# Altium PCB PCB.PcbDoc (part 10 of 10)
Units mil, origin at the board's own origin, x right, y up, seen from the top; angles counter-clockwise.
Board outline 4370.08 x 4921.26 mil, 6 copper layers (Component Side, Ground Plane I, Signal Layer 1, Power Plane, Ground Plane II, Solder Side), stack 57.638 mil thick; 274 components, 415 nets, 1726 pads, 902 vias.
Unrouted connection lines stored in the file: 2.
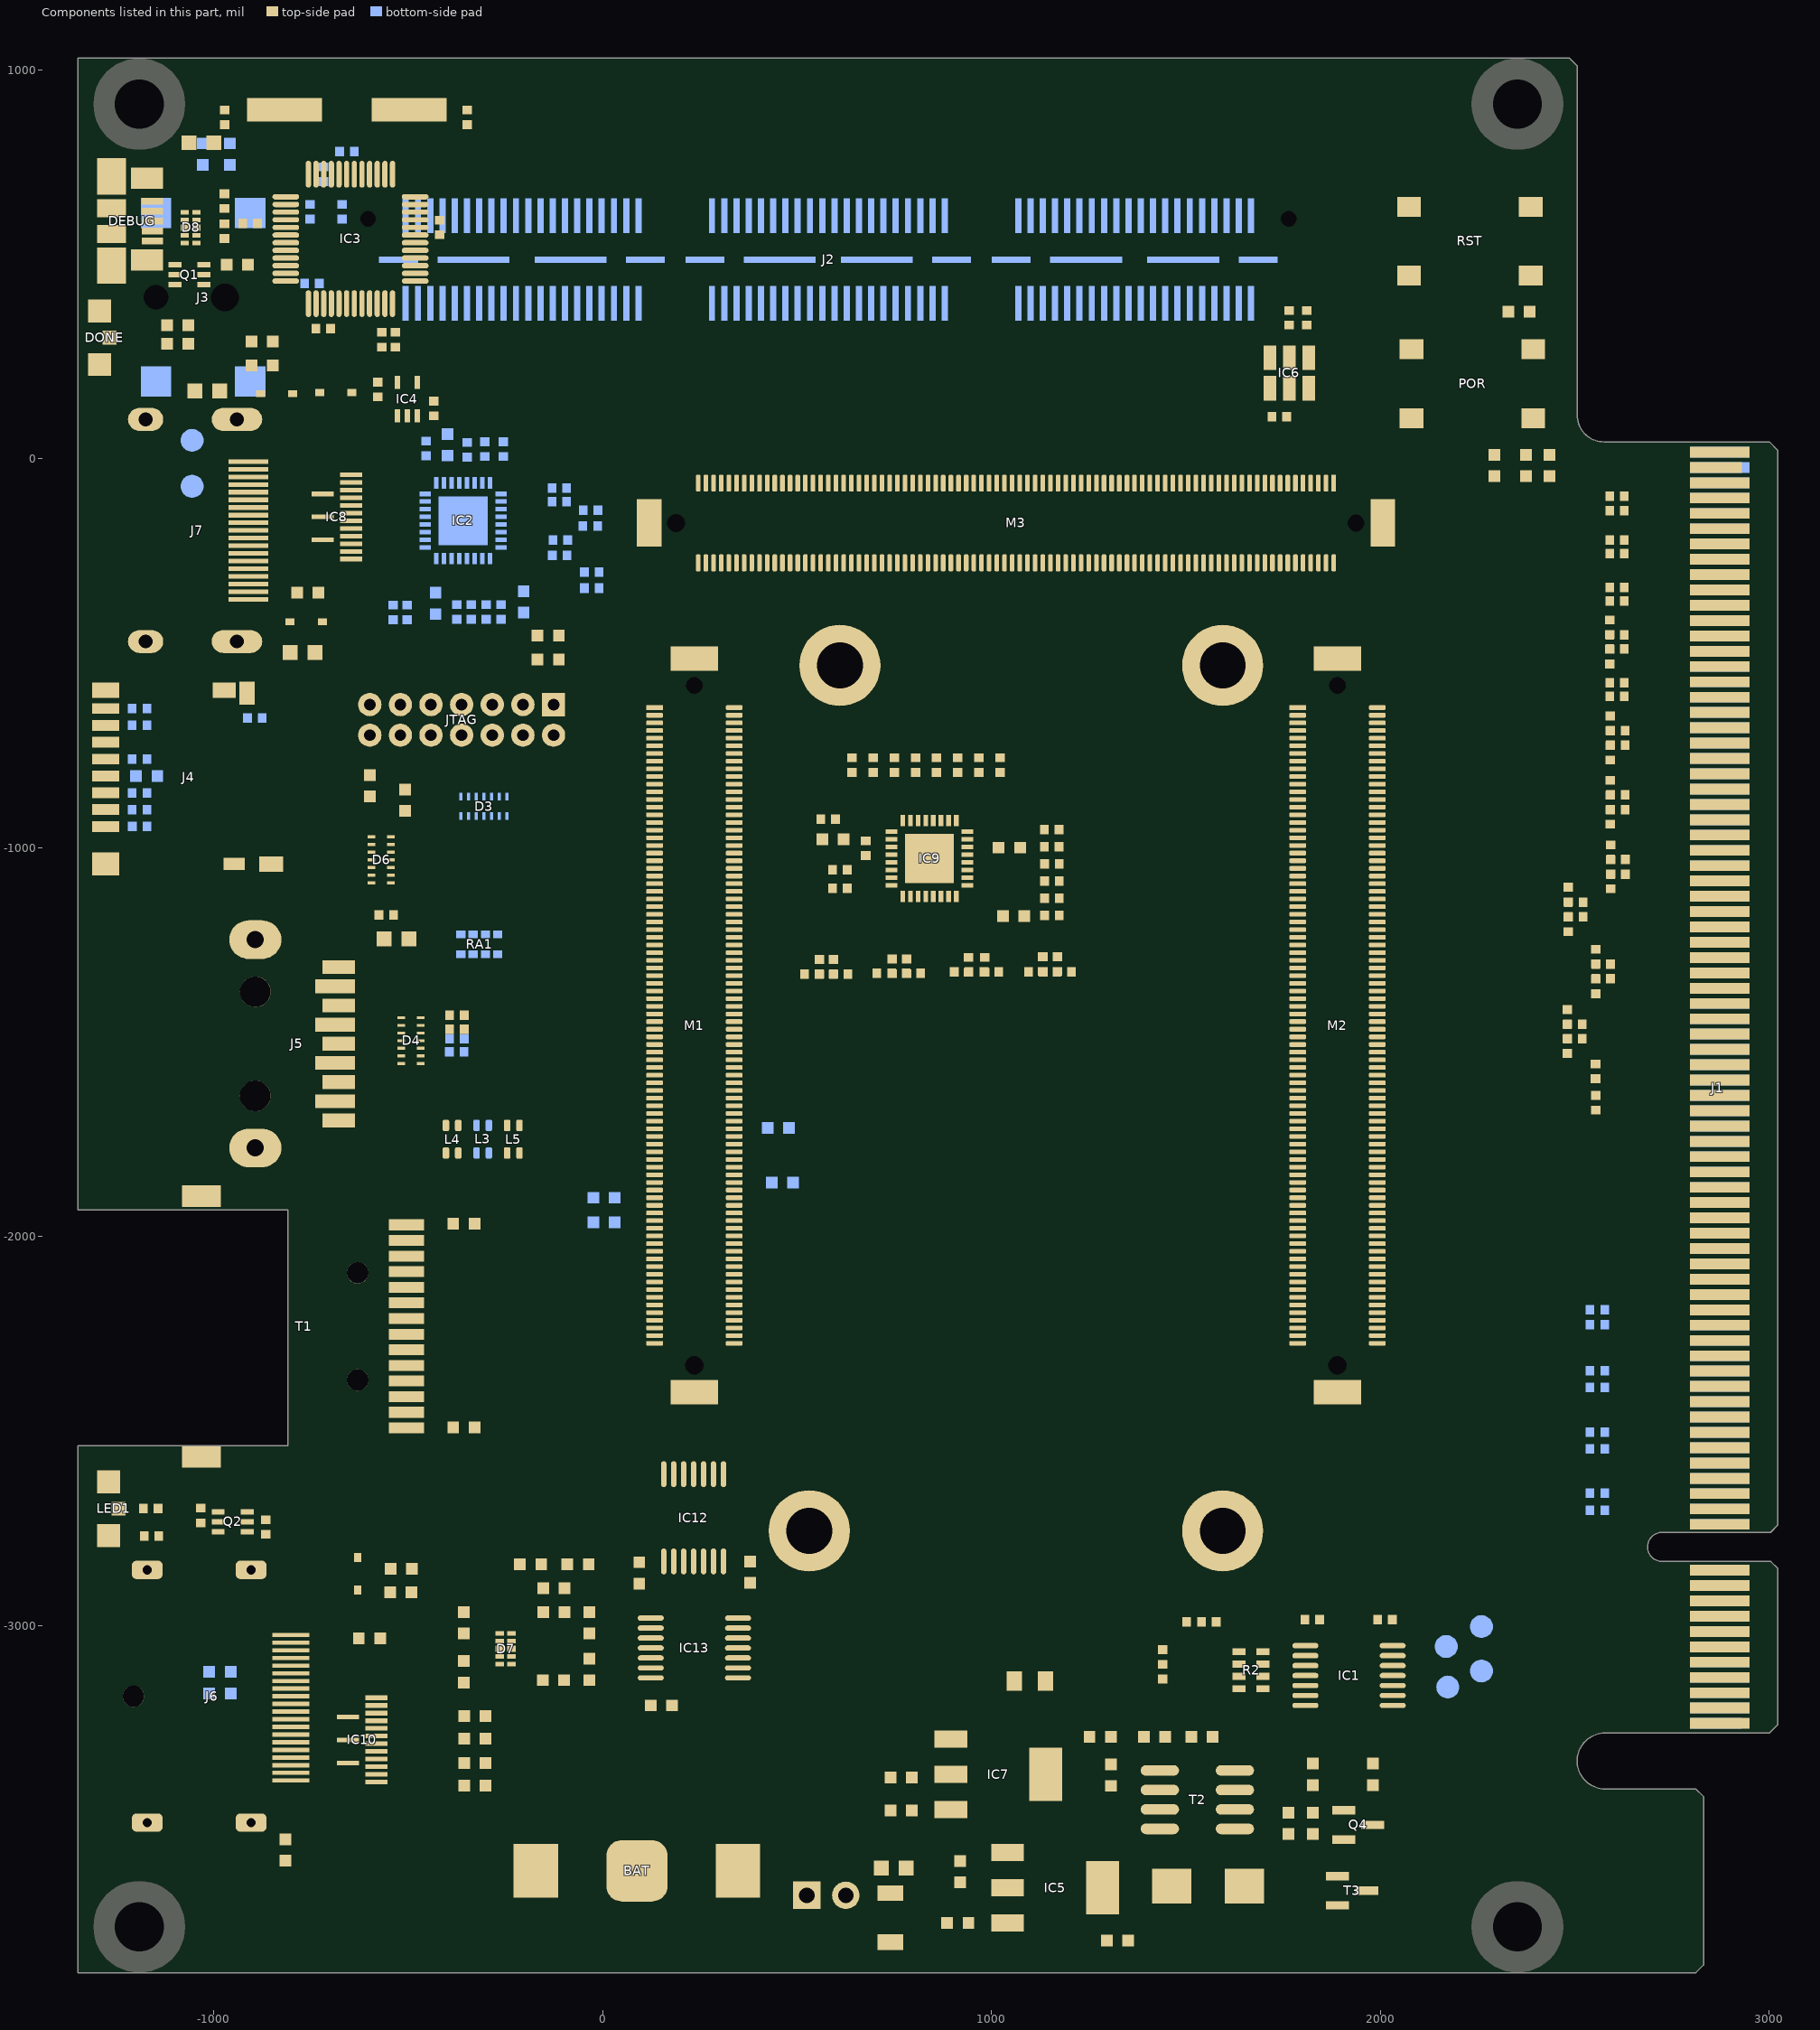
[diagram p14: the components of this part, seen from the top]

## Via types
v1: diameter 23.62, hole 9.84, Component Side to Solder Side, 902 vias

## Nets (pads, with @x,y where several pads share a name; then routed paths per layer and width w, separated by ;. In a path a pad name is that pad's centre, name@x,y a point inside that pad or via, vN(x,y) a via of type N, cw(c..) or ccw(c..) an arc to the next point about the centre after c; other vN are vias at no path point) (continued)
copper on no net: (continued)
  Component Side w0.39: 739.94,853.46 761.55,853.46 ; 739.94,853.85 749.37,853.85 ; 739.94,873.88 748.58,873.88 ; 740.33,853.06 762.33,853.06 ; 740.33,874.28 760.76,874.28 ; 740.33,874.67 760.37,874.67 ; 740.73,852.67 761.94,852.67 ; 740.73,875.06 759.98,875.06 ; 741.12,852.28 761.55,852.28 ; 741.12,875.45 759.58,875.45 ; 741.51,851.89 761.15,851.89 ; 741.51,875.85 759.58,875.85 ; 741.51,876.24 759.19,876.24 ; 741.91,851.1 760.37,851.1 ; 741.91,851.49 760.76,851.49 ; 742.3,876.63 758.4,876.63 ; 742.69,850.71 759.98,850.71 ; 742.69,877.03 758.01,877.03 ; 743.08,850.31 759.19,850.31 ; 743.08,877.42 757.62,877.42 ; 743.48,877.81 756.83,877.81 ; 743.87,849.92 758.4,849.92 ; 744.26,878.2 756.05,878.2 ; 744.66,849.53 757.62,849.53 ; 745.05,878.6 755.26,878.6 ; 745.44,849.14 756.83,849.14 ; 746.23,848.74 755.65,848.74 ; 746.23,878.99 754.48,878.99 ; 747.8,879.38 752.91,879.38 ; 748.19,848.35 754.48,848.35 ; 751.73,873.88 761.15,873.88 ; 752.91,853.85 761.15,853.85 ; 752.91,873.49 761.15,873.49 ; 753.69,873.1 761.55,873.1 ; 754.08,854.24 760.76,854.24 ; 754.48,872.7 761.55,872.7 ; 754.87,872.31 761.94,872.31 ; 755.26,854.64 760.37,854.64 ; 755.26,871.53 761.94,871.53 ; 755.26,871.92 761.94,871.92 ; 755.65,855.03 759.98,855.03 ; 755.65,871.13 762.33,871.13 ; 756.05,870.35 762.33,870.35 ; 756.05,870.74 762.33,870.74 ; 756.44,855.42 759.19,855.42 ; 756.44,869.17 762.73,869.17 ; 756.44,869.56 762.73,869.56 ; 756.44,869.96 762.73,869.96 ; 756.83,855.81 758.8,855.81 ; 756.83,866.81 763.12,866.81 ; 756.83,867.21 762.73,867.21 ; 756.83,867.6 762.73,867.6 ; 756.83,867.99 762.73,867.99 ; 756.83,868.38 762.73,868.38 ; 756.83,868.78 762.73,868.78 ; 757.62,856.21 758.4,856.21
  Power Plane w5.91: 1407.78,-592.52 1409.45,-592.52

## Polygon pours and split planes (outlines as drawn)
no net on Component Side "AntmicroLogo" (solid, pour order 72): 34 vertices, not listed, extent 1044.9,830.43 1108.07,922.36
no net on Component Side "AntmicroLogo" (solid, pour order 74): 19 vertices, not listed, extent 1127.52,832.09 1192,922.36
no net on Component Side "AntmicroLogo" (solid, pour order 76): 24 vertices, not listed, extent 1201.71,831.25 1241.84,945.57
no net on Component Side "AntmicroLogo" (solid, pour order 78): 113 vertices, not listed, extent -4711.43,-3189.12 1369.26,922.5
no net on Component Side "AntmicroLogo" (solid, pour order 80): 1388.73,832.09 1403.2,832.09 1403.2,920.73 1388.73,920.73
no net on Component Side "AntmicroLogo" (solid, pour order 82): 39 vertices, not listed, extent 1416.67,830.43 1470.95,922.36
no net on Component Side "AntmicroLogo" (solid, pour order 84): 1484.91,832.09 1484.91,916.13 1498.13,920.66 1515.17,922.36 1519.97,922.19 1522.9,921.89 1519.62,911.02 1515.34,912.14 1510.57,912.51 1504.67,911.98 1499.39,910.2 1499.39,832.09
no net on Component Side "AntmicroLogo" (solid, pour order 86): 33 vertices, not listed, extent 1524.97,830.43 1595.04,922.36
no net on Component Side "AntmicroLogo" (solid, pour order 70): 205 vertices, not listed, extent -5111.31,-3180.69 946.58,929.23
no net on Component Side "AntmicroLogo" (solid, pour order 68): 319 vertices, not listed, extent 794.92,749.9 1017.05,1004.33
USB_SHIELD on Component Side "VCC" (solid, pour order 90): -1345,-1137 -428,-1136 -428,-1292 -630,-1291 -792,-1514.08 -792,-1847 -1343.77,-1847
SHIELD2 on Component Side "VCC" (solid, pour order 91): -1342.52,-456.69 -852.36,-456.69 -852.36,-324.8 -852.36,-312.99 -645.67,-312.99 -651.57,-312.99 -651.57,61.02 -651.57,64.96 -775.59,64.96 -787.4,64.96 -787.4,198.82 -1342.52,198.82
NetJ6_21 on Component Side "VCC" (solid, pour order 101): -1297.24,-2826.77 -793.31,-2826.77 cw(c-793.31,-2903.54) -716.54,-2903.54 -716.54,-3476.38 cw(c-795.28,-3476.38) -795.28,-3555.12 -1297.24,-3555.12
VCC_7.4_CPM on Power Plane "GND_BOT" (solid, pour order 93): 31 vertices, not listed, extent -1063.22,-3882 2671,1025
VCC_7.4_CPM on Power Plane "GND_BOT" (solid, pour order 111): 20 vertices, not listed, extent -32,183 2214,588
VCC_MOD on Power Plane "GND_BOT" (solid, pour order 110): 27 vertices, not listed, extent 81,-3879 1513,-544
3V3_MOD on Power Plane "GND_BOT" (solid, pour order 109): 1267,-556.48 1267,-1432 1267,-1477 cw(c1254,-1477) 1254,-1490 511,-1490 cw(c511,-1472) 493,-1472 493,-555.14 cw(c502.8,-555.14) 502.8,-545.35 1260.87,-545.35 cw(c1260.87,-556.48) 1272,-556.48
VCC_7.4_CPM on Power Plane "GND_BOT" (solid, pour order 107): -609.23,481.32 -610.28,480.27 -610.28,216.55 cw(c-618.83,216.55) -618.83,208 -742,208 -1318,208 cw(c-1318,231) -1341,231 -1341,752.76 cw(c-1327,752.76) -1327,766.76 -1083.49,766.76 ccw(c-1083.49,787.02) -1063.22,787.02
VCC_7.4_CPM on Power Plane "GND_BOT" (solid, pour order 106): 1954.18,-2916.87 2062.66,-2916.87 ccw(c2062.66,-2843.53) 2136,-2843.53 2136,-2892 cw(c2036,-2892) 2036,-2992 2004,-2992
VCC_7.4_CPM on Power Plane "GND_BOT" (solid, pour order 105): 24 vertices, not listed, extent 1540.73,-3883.7 2822,-2810.48
3V3_MOD on Power Plane "GND_BOT" (solid, pour order 104): 17 vertices, not listed, extent -1335,-3882.78 624.47,-2582.16
3V3_MOD on Power Plane "GND_BOT" (solid, pour order 103): -580.05,-541.21 -596.67,-541.21 cw(c-596.67,-533.81) -604.07,-533.81 -604.07,453.26 cw(c-580.61,453.26) -580.61,476.72 -47.47,476.72 cw(c-47.47,470) -40.75,470 -40.75,-538.16 cw(c-44,-538.16) -44,-541.42 -578.74,-541.42
3V3_MOD on Power Plane "GND_BOT" (solid, pour order 102): 20 vertices, not listed, extent -648,-2581 398,-542
3V3_MOD on Power Plane "VCC_3v3" (solid, pour order 98): -72,467 -560.04,467 ccw(c-560.04,435.04) -592,435.04 -592,-527.95 ccw(c-578.74,-527.95) -578.74,-541.21 -55.21,-541.21 ccw(c-55.21,-527) -41,-527 -41,454 ccw(c-54,454) -54,467
VCC_7.4_CPM on Power Plane "VCC" (solid, pour order 87): 23 vertices, not listed, extent 1541.34,-3596.46 2769.68,-2850.39
VCC_MOD on Power Plane "VCC" (solid, pour order 88): 51 vertices, not listed, extent 84.74,-3812.85 1490.25,-617.97
1V8_MOD on Power Plane "VCC" (solid, pour order 94): 74.82,53.21 1700.81,53.21 cw(c1700.81,0.06) 1753.96,0.06 1753.96,-305.06 cw(c1716.56,-305.06) 1716.56,-342.46 108.29,-342.46 cw(c108.29,-307.02) 72.85,-307.02 72.85,5.97 cw(c120.1,5.97) 120.1,53.21
1V8_MOD on Power Plane "VCC" (solid, pour order 92): 2070.87,-608.27 2070.87,-2234.25 cw(c2017.72,-2234.25) 2017.72,-2287.4 1712.6,-2287.4 cw(c1712.6,-2250) 1675.2,-2250 1675.2,-641.73 cw(c1710.63,-641.73) 1710.63,-606.3 2023.62,-606.3 cw(c2023.62,-653.54) 2070.87,-653.54
3V3_MOD on Power Plane "VCC" (solid, pour order 95): 80.71,-759.84 358.12,-759.84 cw(c358.12,-791.34) 389.62,-791.34 389.62,-1795.42 cw(c362.2,-1795.42) 362.2,-1822.83 102.36,-1822.83 cw(c102.36,-1801.18) 80.71,-1801.18
1V8_MOD on Power Plane "VCC" (solid, pour order 96): 1674.89,-708.66 1674.89,-77.93 cw(c1774.89,-77.93) 1774.89,22.07 1919.29,22.07 1968.9,22.07 cw(c1968.9,-77.93) 2068.9,-77.93 2068.9,-708.66
3V3_MOD on Power Plane "VCC" (solid, pour order 97): 564.96,-681.1 1137.8,-681.1 cw(c1137.8,-773.62) 1230.32,-773.62 1230.32,-1370.08 cw(c1167.32,-1370.08) 1167.32,-1433.07 653.2,-1433.07 cw(c653.2,-1344.84) 564.96,-1344.84 564.96,-773.62 cw(c657.48,-773.62) 657.48,-681.1
3V3_MOD on Power Plane "VCC" (solid, pour order 99): -557.09,-409.45 ccw(c-500,-409.45) -500,-466.54 -143.7,-466.54 ccw(c-143.7,-425.2) -102.36,-425.2 -102.36,61.02 ccw(c-127.95,61.02) -127.95,86.61 -500,86.61 ccw(c-500,29.53) -557.09,29.53 -557.09,-413.39
SHIELD2 on Power Plane "VCC" (solid, pour order 100): -1344.49,206.69 -704.33,206.69 cw(c-704.33,106.69) -604.33,106.69 -604.33,-311.02 -604.33,-372.44 cw(c-704.33,-372.44) -704.33,-472.44 -1344.49,-472.44
no net on Solder Side "AntmicroLogo" (solid, pour order 67): 319 vertices, not listed, extent -68.05,-3707.1 154.08,-3452.67
no net on Solder Side "AntmicroLogo" (solid, pour order 69): 205 vertices, not listed, extent 2.42,-3631.99 5059.31,-3166.08
no net on Solder Side "AntmicroLogo" (solid, pour order 85): 33 vertices, not listed, extent -646.04,-3626.57 -575.97,-3534.64
no net on Solder Side "AntmicroLogo" (solid, pour order 83): -535.91,-3624.91 -535.91,-3540.87 -549.13,-3536.34 -566.17,-3534.64 -570.97,-3534.81 -573.9,-3535.11 -570.62,-3545.98 -566.34,-3544.86 -561.57,-3544.49 -555.67,-3545.02 -550.39,-3546.8 -550.39,-3624.91
no net on Solder Side "AntmicroLogo" (solid, pour order 81): 39 vertices, not listed, extent -521.95,-3626.57 -467.67,-3534.64
no net on Solder Side "AntmicroLogo" (solid, pour order 79): -439.73,-3624.91 -454.2,-3624.91 -454.2,-3536.27 -439.73,-3536.27
no net on Solder Side "AntmicroLogo" (solid, pour order 77): 113 vertices, not listed, extent -420.26,-3625.05 4659.43,-3189
no net on Solder Side "AntmicroLogo" (solid, pour order 75): 24 vertices, not listed, extent -292.84,-3625.75 -252.71,-3511.43
no net on Solder Side "AntmicroLogo" (solid, pour order 73): 19 vertices, not listed, extent -243,-3624.91 -178.52,-3534.64
no net on Solder Side "AntmicroLogo" (solid, pour order 71): 34 vertices, not listed, extent -159.07,-3626.57 -95.9,-3534.64
GND on Solder Side "Bottom Layer-No Net 1" (solid, pour order 89): -1315,574 -1135.47,574 -1135.47,654 -1135.47,656 -1023.92,656 -1013.14,656 -1013.14,595 -1013.14,592 -842,592 -842,778 -842.7,778 -1315,778 -1315,768
VCC_7.4_CPM on Solder Side "GND_BOT" (solid, pour order 108): -1115,281 -1217,281 -1237,281 ccw(c-1237,269) -1249,269 -1249,162 ccw(c-1240,162) -1240,153 -833,153 ccw(c-833,164) -822,164 -822,272 ccw(c-830,272) -830,280 cw(c-830,281) -831,281
GND on Signal Layer 1 "Bottom Layer-No Net 1" (solid, pour order 112): 22 vertices, not listed, extent -1351,-3891.73 2787.4,1029.53
no net on Top Solder "AntmicroLogo" (solid, pour order 29): 34 vertices, not listed, extent 1044.9,830.43 1108.07,922.36
no net on Top Solder "AntmicroLogo" (solid, pour order 30): 19 vertices, not listed, extent 1127.52,832.09 1192,922.36
no net on Top Solder "AntmicroLogo" (solid, pour order 31): 24 vertices, not listed, extent 1201.71,831.25 1241.84,945.57
no net on Top Solder "AntmicroLogo" (solid, pour order 32): 113 vertices, not listed, extent -4711.43,-3189.12 1369.26,922.5
no net on Top Solder "AntmicroLogo" (solid, pour order 33): 1388.73,832.09 1403.2,832.09 1403.2,920.73 1388.73,920.73
no net on Top Solder "AntmicroLogo" (solid, pour order 34): 39 vertices, not listed, extent 1416.67,830.43 1470.95,922.36
no net on Top Solder "AntmicroLogo" (solid, pour order 35): 1484.91,832.09 1484.91,916.13 1498.13,920.66 1515.17,922.36 1519.97,922.19 1522.9,921.89 1519.62,911.02 1515.34,912.14 1510.57,912.51 1504.67,911.98 1499.39,910.2 1499.39,832.09
no net on Top Solder "AntmicroLogo" (solid, pour order 36): 33 vertices, not listed, extent 1524.97,830.43 1595.04,922.36
no net on Top Solder "AntmicroLogo" (solid, pour order 28): 205 vertices, not listed, extent -5111.31,-3180.69 946.58,929.23
no net on Top Solder "AntmicroLogo" (solid, pour order 27): 319 vertices, not listed, extent 794.92,749.9 1017.05,1004.33
no net on Bottom Solder "AntmicroLogo" (solid, pour order 27): 319 vertices, not listed, extent -68.05,-3707.1 154.08,-3452.67
no net on Bottom Solder "AntmicroLogo" (solid, pour order 28): 205 vertices, not listed, extent 2.42,-3631.99 5059.31,-3166.08
no net on Bottom Solder "AntmicroLogo" (solid, pour order 36): 33 vertices, not listed, extent -646.04,-3626.57 -575.97,-3534.64
no net on Bottom Solder "AntmicroLogo" (solid, pour order 35): -535.91,-3624.91 -535.91,-3540.87 -549.13,-3536.34 -566.17,-3534.64 -570.97,-3534.81 -573.9,-3535.11 -570.62,-3545.98 -566.34,-3544.86 -561.57,-3544.49 -555.67,-3545.02 -550.39,-3546.8 -550.39,-3624.91
no net on Bottom Solder "AntmicroLogo" (solid, pour order 34): 39 vertices, not listed, extent -521.95,-3626.57 -467.67,-3534.64
no net on Bottom Solder "AntmicroLogo" (solid, pour order 33): -439.73,-3624.91 -454.2,-3624.91 -454.2,-3536.27 -439.73,-3536.27
no net on Bottom Solder "AntmicroLogo" (solid, pour order 32): 113 vertices, not listed, extent -420.26,-3625.05 4659.43,-3189
no net on Bottom Solder "AntmicroLogo" (solid, pour order 31): 24 vertices, not listed, extent -292.84,-3625.75 -252.71,-3511.43
no net on Bottom Solder "AntmicroLogo" (solid, pour order 30): 19 vertices, not listed, extent -243,-3624.91 -178.52,-3534.64
no net on Bottom Solder "AntmicroLogo" (solid, pour order 29): 34 vertices, not listed, extent -159.07,-3626.57 -95.9,-3534.64
GND on Ground Plane I (split plane): 227 vertices, not listed, extent -1328.33,-3871.64 3001.56,1009.43
GND on Ground Plane II (split plane): 223 vertices, not listed, extent -1328.33,-3871.64 2909.45,1009.43

## Keep-outs
Keep-Out Layer:
  lines w3.94: 2724.4,-2835.8 cw(c2724.4,-2798.4) 2724.42,-2761 ; 2724.77,-2835.02 3004.31,-2835.02 3021.65,-2852.36 3021.65,-3253.94 3000,-3275.59 2577.76,-3275.59 ccw(c2577.76,-3347.44) 2577.76,-3419.29 2811.02,-3419.29 2830.71,-3438.98 2830.71,-3872.05 2811.02,-3891.73 2171.26,-3891.73 -1348.43,-3891.73 -1348.43,-2537.4 -809.06,-2537.4 -809.06,-1931.1 -1348.43,-1931.1 -1348.43,1029.53 1998.03,1029.53 2486.22,1029.53 2505.91,1009.84 2505.91,112.2 ccw(c2574.8,112.2) 2574.8,43.31 3000,43.31 3021.65,21.65 3021.65,-2741.14 3001.78,-2761.02 2725.59,-2761.02

## Other copper
Component Side:
  pour cut-out: 1541.87,856.54 1540.47,862.75 1539.68,869.57 1539.44,876.81 1539.68,884.04 1540.47,890.82 1541.87,896.99 1543.92,902.4 1546.71,906.88 1550.27,910.27 1554.68,912.42 1560,913.17 1565.33,912.42 1569.74,910.27 1573.31,906.88 1576.09,902.4 1578.14,896.99 1579.53,890.82 1580.32,884.04 1580.57,876.81 1580.32,869.57 1579.53,862.75 1578.14,856.54 1576.09,851.07 1573.31,846.54 1569.74,843.1 1565.33,840.91 1560,840.14 1554.68,840.91 1550.27,843.1 1546.71,846.54 1543.92,851.07
  pour cut-out: 1060.09,849.58 1058.72,857.57 1061.15,867.62 1068.19,874.7 1079.46,879.34 1094.57,882.08 1094.57,841.79 1091.61,840.56 1088.06,839.63 1084.1,839.04 1079.94,838.82 1070.79,840.07 1064.15,843.69
  pour cut-out: 931.37,847.68 ccw(c934.88,847.68) 934.88,844.17 ccw(c934.88,847.68) 938.4,847.68 ccw(c934.88,847.68) 934.88,851.2 ccw(c934.88,847.68)
  pour cut-out: 905.98,828.37 cw(c905.98,835.26) 899.09,835.26 cw(c905.98,835.26) 905.98,842.14 cw(c905.98,835.26) 912.87,835.26 cw(c905.98,835.26)
  pour cut-out: 877.08,844.17 cw(c877.08,847.68) 873.56,847.68 cw(c877.08,847.68) 877.08,851.2 cw(c877.08,847.68) 880.59,847.68 cw(c877.08,847.68)
  pour cut-out: 872.7,873.6 cw(c872.7,877.12) 869.18,877.12 cw(c872.7,877.12) 872.7,880.64 cw(c872.7,877.12) 876.22,877.12 cw(c872.7,877.12)
  pour cut-out: 877.08,903.04 cw(c877.08,906.56) 873.56,906.56 cw(c877.08,906.56) 877.08,910.07 cw(c877.08,906.56) 880.59,906.56 cw(c877.08,906.56)
  pour cut-out: 905.98,912.09 cw(c905.98,918.98) 899.09,918.98 cw(c905.98,918.98) 905.98,925.87 cw(c905.98,918.98) 912.87,918.98 cw(c905.98,918.98)
  pour cut-out: 934.88,903.04 cw(c934.88,906.56) 931.37,906.56 cw(c934.88,906.56) 934.88,910.07 cw(c934.88,906.56) 938.4,906.56 cw(c934.88,906.56)
  pour cut-out: 939.25,873.6 cw(c939.25,877.12) 935.73,877.12 cw(c939.25,877.12) 939.25,880.64 cw(c939.25,877.12) 942.77,877.12 cw(c939.25,877.12)
  text "Ultrascale+ Processing Module" at 1053.66,744 h80
  text "Rev. 3.3.1    01/2021" at 1057,645 h60
Solder Side:
  rectangle net GND: 2920.28,-1446 2968.5,-1434
  pour cut-out: -111.09,-3607.42 -109.72,-3599.43 -112.15,-3589.38 -119.19,-3582.3 -130.46,-3577.66 -145.57,-3574.92 -145.57,-3615.21 -142.61,-3616.44 -139.06,-3617.37 -135.1,-3617.96 -130.94,-3618.18 -121.79,-3616.93 -115.15,-3613.31
  pour cut-out: -592.87,-3600.46 -591.47,-3594.25 -590.68,-3587.43 -590.44,-3580.19 -590.68,-3572.96 -591.47,-3566.18 -592.87,-3560.01 -594.92,-3554.6 -597.71,-3550.12 -601.27,-3546.73 -605.68,-3544.58 -611.01,-3543.83 -616.33,-3544.58 -620.74,-3546.73 -624.31,-3550.12 -627.09,-3554.6 -629.14,-3560.01 -630.53,-3566.18 -631.32,-3572.96 -631.57,-3580.19 -631.32,-3587.43 -630.53,-3594.25 -629.14,-3600.46 -627.09,-3605.93 -624.31,-3610.46 -620.74,-3613.9 -616.33,-3616.09 -611.01,-3616.86 -605.68,-3616.09 -601.27,-3613.9 -597.71,-3610.46 -594.92,-3605.93
  pour cut-out: 9.75,-3583.4 ccw(c9.75,-3579.88) 13.27,-3579.88 ccw(c9.75,-3579.88) 9.75,-3576.36 ccw(c9.75,-3579.88) 6.23,-3579.88 ccw(c9.75,-3579.88)
  pour cut-out: 14.12,-3553.96 ccw(c14.12,-3550.44) 17.63,-3550.44 ccw(c14.12,-3550.44) 14.12,-3546.93 ccw(c14.12,-3550.44) 10.6,-3550.44 ccw(c14.12,-3550.44)
  pour cut-out: 43.02,-3544.91 ccw(c43.02,-3538.02) 49.91,-3538.02 ccw(c43.02,-3538.02) 43.02,-3531.13 ccw(c43.02,-3538.02) 36.13,-3538.02 ccw(c43.02,-3538.02)
  pour cut-out: 71.92,-3553.96 ccw(c71.92,-3550.44) 75.44,-3550.44 ccw(c71.92,-3550.44) 71.92,-3546.93 ccw(c71.92,-3550.44) 68.41,-3550.44 ccw(c71.92,-3550.44)
  pour cut-out: 76.3,-3583.4 ccw(c76.3,-3579.88) 79.82,-3579.88 ccw(c76.3,-3579.88) 76.3,-3576.36 ccw(c76.3,-3579.88) 72.78,-3579.88 ccw(c76.3,-3579.88)
  pour cut-out: 71.92,-3612.83 ccw(c71.92,-3609.32) 75.44,-3609.32 ccw(c71.92,-3609.32) 71.92,-3605.8 ccw(c71.92,-3609.32) 68.41,-3609.32 ccw(c71.92,-3609.32)
  pour cut-out: 43.02,-3628.63 ccw(c43.02,-3621.74) 49.91,-3621.74 ccw(c43.02,-3621.74) 43.02,-3614.86 ccw(c43.02,-3621.74) 36.13,-3621.74 ccw(c43.02,-3621.74)
  pour cut-out: 17.63,-3609.32 cw(c14.12,-3609.32) 14.12,-3612.83 cw(c14.12,-3609.32) 10.6,-3609.32 cw(c14.12,-3609.32) 14.12,-3605.8 cw(c14.12,-3609.32)
  text "Ultrascale+ Processing Module" at -104.66,-3713 h80
  text "Rev. 3.3    08/2018" at -104.36,-3783 h60
Ground Plane II (plane layer: these items are gaps in the copper):
  region: 3023.62,-3275.59 3023.62,45.28 2909.45,45.28 2909.45,-3275.59

## Silkscreen, mask and mechanical layers (free items; w line width, h text height)
Top Overlay:
  lines w7.87: -817,214 -817,266 ; -203.85,-480.63 -203.85,-429.63 ; 1219,-3311 1219,-3260 ; 1360,-3310.43 1360,-3260
  lines w15.75: -802.76,274.78 cw(c-803.1,276.15) -801.69,276.15 ; -213.5,-423 cw(c-213.85,-421.63) -212.43,-421.63 ; 1209.34,-3253.37 cw(c1209,-3252) 1210.41,-3252 ; 1349.34,-3251.37 cw(c1349,-3250) 1350.41,-3250
  text "-" at 638,-3495 h30 r180
  text "+" at 529,-3517 h30 r90
  text "W" at -949.53,-3858.95 h240
  text "p" at -580.72,-3861.42 h240
  text "e" at -775.74,-3863.95 h240
Top Solder:
  drawing of 3327 lines, arcs and shapes, not listed
  text "Ultrascale+ Processing Module" at 1053.66,744 h80
  text "Rev. 3.3.1    01/2021" at 1057,645 h60
Bottom Solder:
  pour cut-out: -111.09,-3607.42 -109.72,-3599.43 -112.15,-3589.38 -119.19,-3582.3 -130.46,-3577.66 -145.57,-3574.92 -145.57,-3615.21 -142.61,-3616.44 -139.06,-3617.37 -135.1,-3617.96 -130.94,-3618.18 -121.79,-3616.93 -115.15,-3613.31
  pour cut-out: -592.87,-3600.46 -591.47,-3594.25 -590.68,-3587.43 -590.44,-3580.19 -590.68,-3572.96 -591.47,-3566.18 -592.87,-3560.01 -594.92,-3554.6 -597.71,-3550.12 -601.27,-3546.73 -605.68,-3544.58 -611.01,-3543.83 -616.33,-3544.58 -620.74,-3546.73 -624.31,-3550.12 -627.09,-3554.6 -629.14,-3560.01 -630.53,-3566.18 -631.32,-3572.96 -631.57,-3580.19 -631.32,-3587.43 -630.53,-3594.25 -629.14,-3600.46 -627.09,-3605.93 -624.31,-3610.46 -620.74,-3613.9 -616.33,-3616.09 -611.01,-3616.86 -605.68,-3616.09 -601.27,-3613.9 -597.71,-3610.46 -594.92,-3605.93
  pour cut-out: 9.75,-3583.4 ccw(c9.75,-3579.88) 13.27,-3579.88 ccw(c9.75,-3579.88) 9.75,-3576.36 ccw(c9.75,-3579.88) 6.23,-3579.88 ccw(c9.75,-3579.88)
  pour cut-out: 14.12,-3553.96 ccw(c14.12,-3550.44) 17.63,-3550.44 ccw(c14.12,-3550.44) 14.12,-3546.93 ccw(c14.12,-3550.44) 10.6,-3550.44 ccw(c14.12,-3550.44)
  pour cut-out: 43.02,-3544.91 ccw(c43.02,-3538.02) 49.91,-3538.02 ccw(c43.02,-3538.02) 43.02,-3531.13 ccw(c43.02,-3538.02) 36.13,-3538.02 ccw(c43.02,-3538.02)
  pour cut-out: 71.92,-3553.96 ccw(c71.92,-3550.44) 75.44,-3550.44 ccw(c71.92,-3550.44) 71.92,-3546.93 ccw(c71.92,-3550.44) 68.41,-3550.44 ccw(c71.92,-3550.44)
  pour cut-out: 76.3,-3583.4 ccw(c76.3,-3579.88) 79.82,-3579.88 ccw(c76.3,-3579.88) 76.3,-3576.36 ccw(c76.3,-3579.88) 72.78,-3579.88 ccw(c76.3,-3579.88)
  pour cut-out: 71.92,-3612.83 ccw(c71.92,-3609.32) 75.44,-3609.32 ccw(c71.92,-3609.32) 71.92,-3605.8 ccw(c71.92,-3609.32) 68.41,-3609.32 ccw(c71.92,-3609.32)
  pour cut-out: 43.02,-3628.63 ccw(c43.02,-3621.74) 49.91,-3621.74 ccw(c43.02,-3621.74) 43.02,-3614.86 ccw(c43.02,-3621.74) 36.13,-3621.74 ccw(c43.02,-3621.74)
  pour cut-out: 17.63,-3609.32 cw(c14.12,-3609.32) 14.12,-3612.83 cw(c14.12,-3609.32) 10.6,-3609.32 cw(c14.12,-3609.32) 14.12,-3605.8 cw(c14.12,-3609.32)
  text "Ultrascale+ Processing Module" at -104.66,-3713 h80
  text "Rev. 3.3    08/2018" at -104.36,-3783 h60
PCB Fab Notes:
  drawing of 451 lines, arcs and shapes, not listed
  text "Layer" at 3962,-1517 h60
  text "Name" at 4371.91,-1517 h60
  text "Material" at 5351.64,-1517 h60
  text "Thickness" at 6211.41,-1517 h60
  text "Constant" at 6861.24,-1517 h60
  text "Board Layer Stack" at 7431.1,-1517 h60
  text "1" at 3962,-1637 h60
  text "Top Paste" at 4371.91,-1637 h60
  text "2" at 3962,-1757 h60
  text "Top Overlay" at 4371.91,-1757 h60
  text "3" at 3962,-1877 h60
  text "Top Solder" at 4371.91,-1877 h60
  text "Solder Resist" at 5351.64,-1877 h60
  text "0.010mm" at 6211.41,-1877 h60
  text "3.5" at 6861.24,-1877 h60
  text "4" at 3962,-1997 h60
  text "Component Side" at 4371.91,-1997 h60
  text "Copper" at 5351.64,-1997 h60
  text "0.035mm" at 6211.41,-1997 h60
  text "5" at 3962,-2117 h60
  text "Dielectric 1" at 4371.91,-2117 h60
  text "FR-4" at 5351.64,-2117 h60
  text "0.160mm" at 6211.41,-2117 h60
  text "4.6" at 6861.24,-2117 h60
  text "6" at 3962,-2237 h60
  text "Ground Plane I" at 4371.91,-2237 h60
  text "Copper" at 5351.64,-2237 h60
  text "0.018mm" at 6211.41,-2237 h60
  text "7" at 3962,-2357 h60
  text "Dielectric 6" at 4371.91,-2357 h60
  text "0.320mm" at 6211.41,-2357 h60
  text "4.6" at 6861.24,-2357 h60
  text "8" at 3962,-2477 h60
  text "Signal Layer 1" at 4371.91,-2477 h60
  text "Copper" at 5351.64,-2477 h60
  text "0.018mm" at 6211.41,-2477 h60
  text "9" at 3962,-2597 h60
  text "Dielectric 7" at 4371.91,-2597 h60
  text "0.650mm" at 6211.41,-2597 h60
  text "4.6" at 6861.24,-2597 h60
  text "10" at 3962,-2717 h60
  text "Power Plane" at 4371.91,-2717 h60
  text "Copper" at 5351.64,-2717 h60
  text "0.018mm" at 6211.41,-2717 h60
  text "11" at 3962,-2837 h60
  text "Dielectric 4" at 4371.91,-2837 h60
  text "0.032mm" at 6211.41,-2837 h60
  text "4.6" at 6861.24,-2837 h60
  text "12" at 3962,-2957 h60
  text "Ground Plane II" at 4371.91,-2957 h60
  text "Copper" at 5351.64,-2957 h60
  text "0.018mm" at 6211.41,-2957 h60
  text "13" at 3962,-3077 h60
  text "Dielectric 3" at 4371.91,-3077 h60
  text "0.160mm" at 6211.41,-3077 h60
  text "4.6" at 6861.24,-3077 h60
  text "14" at 3962,-3197 h60
  text "Solder Side" at 4371.91,-3197 h60
  text "Copper" at 5351.64,-3197 h60
  text "0.035mm" at 6211.41,-3197 h60
  text "15" at 3962,-3317 h60
  text "Bottom Solder" at 4371.91,-3317 h60
  text "Solder Resist" at 5351.64,-3317 h60
  text "0.010mm" at 6211.41,-3317 h60
  text "3.5" at 6861.24,-3317 h60
  text "16" at 3962,-3437 h60
  text "Bottom Overlay" at 4371.91,-3437 h60
  text "17" at 3962,-3557 h60
  text "Bottom Paste" at 4371.91,-3557 h60

## Text inside footprints (layer, text, board x,y; h text height)
BAT: Top Cmp Notes "Battery insert" at 344.49,-3866.14 h39.37 r180
J3: Bottom Overlay "3" at -848.79,643.35 h30 r180; Bottom Overlay "2" at -1226.74,643.35 h30 r180; Bottom Overlay "1" at -840.91,210.28 h30 r180; Bottom Overlay "1" at -1218.87,210.28 h30 r180
J4: Top Courtyard "Micro SD Card" at -1403.43,-642.39 h27.56 r270
J5: Top Overlay "1" at -785.43,-1354.33 h30 r270; Top Overlay "4" at -785.43,-1637.8 h30 r270; Top Overlay "9" at -769.69,-1299.21 h30 r270; Top Overlay "5" at -769.69,-1692.91 h30 r270
J7: Top Cmp Notes "PCB Edge" at -1286.46,-76.2 h30 r270; Top Cmp Notes "Panel wall (front face)" at -1404.57,124.59 h30 r270; PCB Asm Notes "Typical plug (20mm)" at -1491.18,93.09 h30 r270
T1: Top Overlay "1" at -472.44,-2521.65 h30 r270; Top Body "PCB Cutout Area" at -1043.31,-2025.59 h30 r270
Z1: Top Body "B" at 1869.77,-2148.72 h30; Top Body "B" at 1869.77,-1934.15 h30; Top Body "B" at 1869.77,-1719.59 h30; Top Body "B" at 1869.77,-1282.58 h30; Top Body "B" at 1869.77,-1060.14 h30; Top Body "B" at 1869.77,-837.7 h30; Top Body "A" at 216.23,-2148.72 h30; Top Body "A" at 216.23,-1934.15 h30; Top Body "A" at 216.23,-1719.59 h30; Top Body "A" at 216.23,-1282.58 h30; Top Body "A" at 216.23,-1060.14 h30; Top Body "A" at 216.23,-837.7 h30; Top Body "C" at 1681.99,-145.36 h30 r270; Top Body "C" at 1459.55,-145.36 h30 r270; Top Body "C" at 1237.11,-145.36 h30 r270; Top Body "C" at 800.1,-145.36 h30 r270; Top Body "C" at 585.53,-145.36 h30 r270; Top Body "C" at 370.96,-145.36 h30 r270